# KiCad board Boston-keyboard-V06J.kicad_pcb (continued)
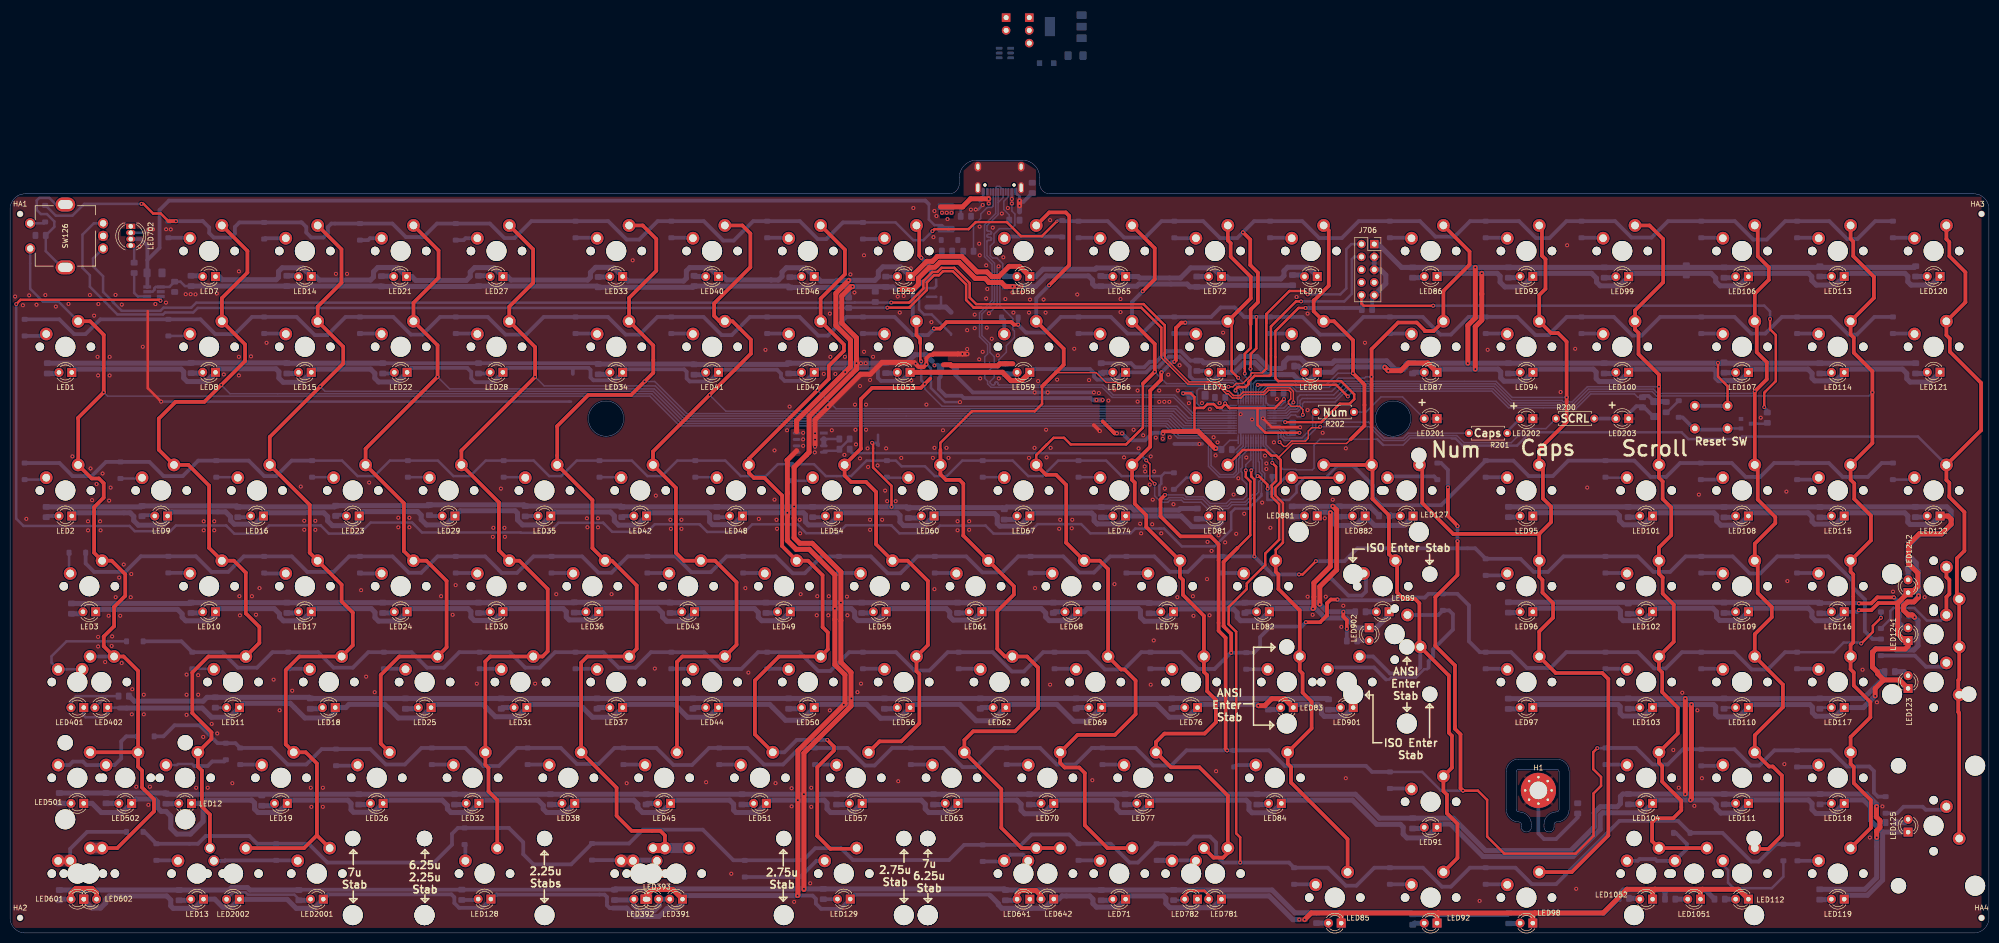
[diagram p0: board, top side]
## Nets (continued)
Row5: D4.1 D11.1 D18.1 D25.1 D31.1 D37.1 D44.1 D50.1 D56.1 D62.1 D69.1 D76.1 D83.1 D90.1 D97.1 D103.1 D110.1 D117.1 D124.1 U701.19 UA701.19
Row6: D5.1 D12.1 D19.1 D26.1 D32.1 D38.1 D45.1 D51.1 D57.1 D63.1 D70.1 D77.1 D84.1 D91.1 D104.1 D111.1 D118.1 D125.1 D127.1 U701.20 UA701.20
Row7: D6.1 D13.1 D20.1 D39.1 D64.1 D71.1 D78.1 D85.1 D92.1 D98.1 D105.1 D112.1 D119.1 D128.1 D129.1 U701.14 UA701.14
SCRL_INDICATOR: LED203.2 R200.1
SWCLK: J706.4 U701.37 UA701.37
SWDIO: J706.2 U701.34 UA701.34
Net-(D1-Pad2): D1.2 SW1.2
Net-(D2-Pad2): D2.2 SW2.2
Net-(D3-Pad2): D3.2 SW3.2
Net-(D4-Pad2): D4.2 SW4-1.2 SW4-2.2
Net-(D5-Pad2): D5.2 SW5-1.2 SW5-2.2
Net-(D6-Pad2): D6.2 SW6-1.2 SW6-2.2
Net-(D7-Pad2): D7.2 SW7.2
Net-(D8-Pad2): D8.2 SW8.2
Net-(D9-Pad2): D9.2 SW9.2
Net-(D10-Pad2): D10.2 SW10.2
Net-(D11-Pad2): D11.2 SW11.2
Net-(D12-Pad2): D12.2 SW12.2
Net-(D13-Pad2): D13.2 SW13.2
Net-(D14-Pad2): D14.2 SW14.2
Net-(D15-Pad2): D15.2 SW15.2
Net-(D16-Pad2): D16.2 SW16.2
Net-(D17-Pad2): D17.2 SW17.2
Net-(D18-Pad2): D18.2 SW18.2
Net-(D19-Pad2): D19.2 SW19.2
Net-(D20-Pad2): D20.2 SW20-1.2 SW20-2.2
Net-(D21-Pad2): D21.2 SW21.2
Net-(D22-Pad2): D22.2 SW22.2
Net-(D23-Pad2): D23.2 SW23.2
Net-(D24-Pad2): D24.2 SW24.2
Net-(D25-Pad2): D25.2 SW25.2
Net-(D26-Pad2): D26.2 SW26.2
Net-(D27-Pad2): D27.2 SW27.2
Net-(D28-Pad2): D28.2 SW28.2
Net-(D29-Pad2): D29.2 SW29.2
Net-(D30-Pad2): D30.2 SW30.2
Net-(D31-Pad2): D31.2 SW31.2
Net-(D32-Pad2): D32.2 SW32.2
Net-(D33-Pad2): D33.2 SW33.2
Net-(D34-Pad2): D34.2 SW34.2
Net-(D35-Pad2): D35.2 SW35.2
Net-(D36-Pad2): D36.2 SW36.2
Net-(D37-Pad2): D37.2 SW37.2
Net-(D38-Pad2): D38.2 SW38.2
Net-(D39-Pad2): D39.2 SW39-1.2 SW39-2.2 SW39-3.2
Net-(D40-Pad2): D40.2 SW40.2
Net-(D41-Pad2): D41.2 SW41.2
Net-(D42-Pad2): D42.2 SW42.2
Net-(D43-Pad2): D43.2 SW43.2
Net-(D44-Pad2): D44.2 SW44.2
Net-(D45-Pad2): D45.2 SW45.2
Net-(D46-Pad2): D46.2 SW46.2
Net-(D47-Pad2): D47.2 SW47.2
Net-(D48-Pad2): D48.2 SW48.2
Net-(D49-Pad2): D49.2 SW49.2
Net-(D50-Pad2): D50.2 SW50.2
Net-(D51-Pad2): D51.2 SW51.2
Net-(D52-Pad2): D52.2 SW52.2
Net-(D53-Pad2): D53.2 SW53.2
Net-(D54-Pad2): D54.2 SW54.2
Net-(D55-Pad2): D55.2 SW55.2
Net-(D56-Pad2): D56.2 SW56.2
Net-(D57-Pad2): D57.2 SW57.2
Net-(D58-Pad2): D58.2 SW58.2
Net-(D59-Pad2): D59.2 SW59.2
Net-(D60-Pad2): D60.2 SW60.2
Net-(D61-Pad2): D61.2 SW61.2
Net-(D62-Pad2): D62.2 SW62.2
Net-(D63-Pad2): D63.2 SW63.2
Net-(D64-Pad2): D64.2 SW64-1.2 SW64-2.2
Net-(D65-Pad2): D65.2 SW65.2
Net-(D66-Pad2): D66.2 SW66.2
Net-(D67-Pad2): D67.2 SW67.2
Net-(D68-Pad2): D68.2 SW68.2
Net-(D69-Pad2): D69.2 SW69.2
Net-(D70-Pad2): D70.2 SW70.2
Net-(D71-Pad2): D71.2 SW71.2
Net-(D72-Pad2): D72.2 SW72.2
Net-(D73-Pad2): D73.2 SW73.2
Net-(D74-Pad2): D74.2 SW74.2
Net-(D75-Pad2): D75.2 SW75.2
Net-(D76-Pad2): D76.2 SW76.2
Net-(D77-Pad2): D77.2 SW77.2
Net-(D78-Pad2): D78.2 SW78-1.2 SW78-2.2
Net-(D79-Pad2): D79.2 SW79.2
Net-(D80-Pad2): D80.2 SW80.2
Net-(D81-Pad2): D81.2 SW81.2
Net-(D82-Pad2): D82.2 SW82.2
Net-(D83-Pad2): D83.2 SW83.2
Net-(D84-Pad2): D84.2 SW84.2
Net-(D85-Pad2): D85.2 SW85.2
Net-(D86-Pad2): D86.2 SW86.2
Net-(D87-Pad2): D87.2 SW87.2
Net-(D88-Pad2): D88.2 SW88-1.2 SW88-2.2
Net-(D89-Pad2): D89.2 SW89.2
Net-(D90-Pad2): D90.2 SW90-1.2 SW90-2.2
Net-(D91-Pad2): D91.2 SW91.2
Net-(D92-Pad2): D92.2 SW92.2
Net-(D93-Pad2): D93.2 SW93.2
Net-(D94-Pad2): D94.2 SW94.2
Net-(D95-Pad2): D95.2 SW95.2
Net-(D96-Pad2): D96.2 SW96.2
Net-(D97-Pad2): D97.2 SW97.2
Net-(D98-Pad2): D98.2 SW98.2
Net-(D99-Pad2): D99.2 SW99.2
Net-(D100-Pad2): D100.2 SW100.2
Net-(D101-Pad2): D101.2 SW101.2
Net-(D102-Pad2): D102.2 SW102.2
Net-(D103-Pad2): D103.2 SW103.2
Net-(D104-Pad2): D104.2 SW104.2
Net-(D105-Pad2): D105.2 SW105-1.2 SW105-2.2
Net-(D106-Pad2): D106.2 SW106.2
Net-(D107-Pad2): D107.2 SW107.2
Net-(D108-Pad2): D108.2 SW108.2
Net-(D109-Pad2): D109.2 SW109.2
Net-(D110-Pad2): D110.2 SW110.2
Net-(D111-Pad2): D111.2 SW111.2
Net-(D112-Pad2): D112.2 SW112.2
Net-(D113-Pad2): D113.2 SW113.2
Net-(D114-Pad2): D114.2 SW114.2
Net-(D115-Pad2): D115.2 SW115.2
Net-(D116-Pad2): D116.2 SW116.2
Net-(D117-Pad2): D117.2 SW117.2
Net-(D118-Pad2): D118.2 SW118.2
Net-(D119-Pad2): D119.2 SW119.2
Net-(D120-Pad2): D120.2 SW120.2
Net-(D121-Pad2): D121.2 SW121.2
Net-(D122-Pad2): D122.2 SW122.2
Net-(D123-Pad2): D123.2 SW123.2
Net-(D124-Pad2): D124.2 SW124-1.2 SW124-2.2
Net-(D125-Pad2): D125.2 SW125.2
Net-(D126-Pad2): D126.2 SW126.S2
Net-(D127-Pad2): D127.2 SW127.2
Net-(D128-Pad2): D128.2 SW128.2
Net-(D129-Pad2): D129.2 SW129.2
Net-(D703-Pad1): D703.1 R711.2
Net-(D703-Pad2): D703.2 Q701.1 SW200.2
Net-(H1-Pad1): H1.1 L2.2
Net-(J705-PadA5): J705.A5 R704.2
Net-(J705-PadB5): J705.B5 R705.2
Net-(J705-PadS): J705.S L702.1
Net-(L1-Pad1): L1.1 SW126.S
Net-(LED1-Pad2): LED1.2 R1.2
Net-(LED2-Pad2): LED2.2 R2.2
Net-(LED3-Pad2): LED3.2 R3.2
Net-(LED7-Pad2): LED7.2 R7.2
Net-(LED8-Pad2): LED8.2 R8.2
Net-(LED9-Pad2): LED9.2 R9.2
Net-(LED10-Pad2): LED10.2 R10.2
Net-(LED11-Pad2): LED11.2 R11.2
Net-(LED12-Pad2): LED12.2 R12.2
Net-(LED13-Pad2): LED13.2 R13.2
Net-(LED14-Pad2): LED14.2 R14.2
Net-(LED15-Pad2): LED15.2 R15.2
Net-(LED16-Pad2): LED16.2 R16.2
Net-(LED17-Pad2): LED17.2 R17.2
Net-(LED18-Pad2): LED18.2 R18.2
Net-(LED19-Pad2): LED19.2 R19.2
Net-(LED21-Pad2): LED21.2 R21.2
Net-(LED22-Pad2): LED22.2 R22.2
Net-(LED23-Pad2): LED23.2 R23.2
Net-(LED24-Pad2): LED24.2 R24.2
Net-(LED25-Pad2): LED25.2 R25.2
Net-(LED26-Pad2): LED26.2 R26.2
Net-(LED27-Pad2): LED27.2 R27.2
Net-(LED28-Pad2): LED28.2 R28.2
Net-(LED29-Pad2): LED29.2 R29.2
Net-(LED30-Pad2): LED30.2 R30.2
Net-(LED31-Pad2): LED31.2 R31.2
Net-(LED32-Pad2): LED32.2 R32.2
Net-(LED33-Pad2): LED33.2 R33.2
Net-(LED34-Pad2): LED34.2 R34.2
Net-(LED35-Pad2): LED35.2 R35.2
Net-(LED36-Pad2): LED36.2 R36.2
Net-(LED37-Pad2): LED37.2 R37.2
Net-(LED38-Pad2): LED38.2 R38.2
Net-(LED40-Pad2): LED40.2 R40.2
Net-(LED41-Pad2): LED41.2 R41.2
Net-(LED42-Pad2): LED42.2 R42.2
Net-(LED43-Pad2): LED43.2 R43.2
Net-(LED44-Pad2): LED44.2 R44.2
Net-(LED45-Pad2): LED45.2 R45.2
Net-(LED46-Pad2): LED46.2 R46.2
Net-(LED47-Pad2): LED47.2 R47.2
Net-(LED48-Pad2): LED48.2 R48.2
Net-(LED49-Pad2): LED49.2 R49.2
Net-(LED50-Pad2): LED50.2 R50.2
Net-(LED51-Pad2): LED51.2 R51.2
Net-(LED52-Pad2): LED52.2 R52.2
Net-(LED53-Pad2): LED53.2 R53.2
Net-(LED54-Pad2): LED54.2 R54.2
Net-(LED55-Pad2): LED55.2 R55.2
Net-(LED56-Pad2): LED56.2 R56.2
Net-(LED57-Pad2): LED57.2 R57.2
Net-(LED58-Pad2): LED58.2 R58.2
Net-(LED59-Pad2): LED59.2 R59.2
Net-(LED60-Pad2): LED60.2 R60.2
Net-(LED61-Pad2): LED61.2 R61.2
Net-(LED62-Pad2): LED62.2 R62.2
Net-(LED63-Pad2): LED63.2 R63.2
Net-(LED65-Pad2): LED65.2 R65.2
Net-(LED66-Pad2): LED66.2 R66.2
Net-(LED67-Pad2): LED67.2 R67.2
Net-(LED68-Pad2): LED68.2 R68.2
Net-(LED69-Pad2): LED69.2 R69.2
Net-(LED70-Pad2): LED70.2 R70.2
Net-(LED71-Pad2): LED71.2 R71.2
Net-(LED72-Pad2): LED72.2 R72.2
Net-(LED73-Pad2): LED73.2 R73.2
Net-(LED74-Pad2): LED74.2 R74.2
Net-(LED75-Pad2): LED75.2 R75.2
Net-(LED76-Pad2): LED76.2 R76.2
Net-(LED77-Pad2): LED77.2 R77.2
Net-(LED79-Pad2): LED79.2 R79.2
Net-(LED80-Pad2): LED80.2 R80.2
Net-(LED81-Pad2): LED81.2 R81.2
Net-(LED82-Pad2): LED82.2 R82.2
Net-(LED83-Pad2): LED83.2 R83.2
Net-(LED84-Pad2): LED84.2 R84.2
Net-(LED85-Pad2): LED85.2 R85.2
Net-(LED86-Pad2): LED86.2 R86.2
Net-(LED87-Pad2): LED87.2 R87.2
Net-(LED89-Pad2): LED89.2 R89.2
Net-(LED91-Pad2): LED91.2 R91.2
Net-(LED92-Pad2): LED92.2 R92.2
Net-(LED93-Pad2): LED93.2 R93.2
Net-(LED94-Pad2): LED94.2 R94.2
Net-(LED95-Pad2): LED95.2 R95.2
Net-(LED96-Pad2): LED96.2 R96.2
Net-(LED97-Pad2): LED97.2 R97.2
Net-(LED98-Pad2): LED98.2 R98.2
Net-(LED99-Pad2): LED99.2 R99.2
Net-(LED100-Pad2): LED100.2 R100.2
Net-(LED101-Pad2): LED101.2 R101.2
Net-(LED102-Pad2): LED102.2 R102.2
Net-(LED103-Pad2): LED103.2 R103.2
Net-(LED104-Pad2): LED104.2 R104.2
Net-(LED106-Pad2): LED106.2 R106.2
Net-(LED107-Pad2): LED107.2 R107.2
Net-(LED108-Pad2): LED108.2 R108.2
Net-(LED109-Pad2): LED109.2 R109.2
Net-(LED110-Pad2): LED110.2 R110.2
Net-(LED111-Pad2): LED111.2 R111.2
Net-(LED112-Pad2): LED112.2 R112.2
Net-(LED113-Pad2): LED113.2 R113.2
Net-(LED114-Pad2): LED114.2 R114.2
Net-(LED115-Pad2): LED115.2 R115.2
Net-(LED116-Pad2): LED116.2 R116.2
Net-(LED117-Pad2): LED117.2 R117.2
Net-(LED118-Pad2): LED118.2 R118.2
Net-(LED119-Pad2): LED119.2 R119.2
Net-(LED120-Pad2): LED120.2 R120.2
Net-(LED121-Pad2): LED121.2 R121.2
Net-(LED122-Pad2): LED122.2 R122.2
Net-(LED123-Pad2): LED123.2 R123.2
Net-(LED125-Pad2): LED125.2 R125.2
Net-(LED127-Pad2): LED127.2 R127.2
Net-(LED128-Pad2): LED128.2 R128.2
Net-(LED129-Pad2): LED129.2 R129.2
Net-(LED391-Pad2): LED391.2 LED392.2 LED393.2 R39.2
Net-(LED401-Pad2): LED401.2 LED402.2 R4.2
Net-(LED501-Pad2): LED501.2 R501.2
Net-(LED502-Pad2): LED502.2 R502.2
Net-(LED601-Pad2): LED601.2 LED602.2 R6.2
Net-(LED641-Pad2): LED641.2 LED642.2 R64.2
Net-(LED781-Pad2): LED781.2 LED782.2 R78.2
Net-(LED881-Pad2): LED881.2 R881.2
Net-(LED882-Pad2): LED882.2 R882.2
Net-(LED901-Pad2): LED901.2 R901.2
Net-(LED902-Pad2): LED902.2 R902.2
Net-(LED1051-Pad2): LED1051.2 R1051.2
Net-(LED1052-Pad2): LED1052.2 R1052.2
Net-(LED1241-Pad2): LED1241.2 R1241.2
Net-(LED1242-Pad2): LED1242.2 R1242.2
Net-(LED2001-Pad2): LED2001.2 LED2002.2 R20.2
Net-(Q701-Pad3): Q701.3 R703.2
Net-(Q702-Pad4): Q702.4 R706.2 R707.2
Net-(R200-Pad2): R200.2 U701.12 UA701.12
Net-(R201-Pad2): R201.2 U701.11 UA701.11
Net-(R202-Pad2): R202.2 U701.10 UA701.10
Net-(R710-Pad2): R710.2 U705.4

Pads without a net: J705 A8 B8; J706 6 7 8; LED702 1; U1 4 6

## Via types
v1: diameter 0.8, hole 0.4, Top to Bottom, 546 vias
v2: diameter 0.6, hole 0.3, Top to Bottom, 1 via

## Routing (per net, layer and track width the routed paths; a pad name or vN(x,y) marks a point on that pad's centre or on a via; arc(x,y) is an arc through that point)
+3V3: length 2845.1
  Top w0.5: SW200.1 341.5,108.75 339.6,110.65 v1(339.6,113.38) ; v1(171.4,97.47) 171.6,97.28 171.6,92.58 175.26,88.91 v1(175.26,84.74) ; v1(253.3,106.17) 251.5,104.38 248.05,104.38 ; v1(233.25,107.33) 234.75,107.33 235.5,106.58 235.5,104.41 ; 235.38,99.75 235.5,99.88 235.5,104.41 ; 235.5,104.41 237.32,104.41 238.06,105.14 239.36,105.14 240.02,104.48 240.91,104.48 241.6,105.17 v1(241.6,105.33) 241.6,105.28 242.5,104.38 248.05,104.38 ; 248.05,104.38 248.05,101.03 249.6,99.48 v1(256.4,99.48)
  Top w0.75: 229.25,99.75 231.25,99.75 ; v1(265.1,63.88) 265.1,62.9 265.8,62.2 v1(265.8,60.5) ; v1(367.62,65.55) 370.08,65.55 371.27,66.74 v1(374.59,66.74) ; 333.1,27.65 v1(333.07,27.62)
  Top w1: 183.89,132.39 182.79,132.39 180.61,130.21 180.61,128.97 179.61,127.97 v1(176.78,127.97) ; v1(291.34,132.36) 291.34,122.31 289.86,120.84 v1(289.86,113.31) ; v1(378.7,62.78) 378.24,63.24 377.43,63.24 376.5,64.17 376.5,65.05 377.28,65.83 378.57,65.83 379.48,66.74 v1(379.48,67.06) ; v1(167.53,128.53) 167.2,128.53 165.38,126.71 165.38,121.29 168.3,118.37 168.3,112.13 158.89,102.72 158.89,95.59 155.9,92.6 v1(155.9,84.8) 155.9,78.6 157,77.5 159.5,77.5 165.2,71.8 v1(165.2,65.7) 165.2,53.82 167.21,51.81 167.21,45.14 157.85,35.78 v1(157.85,27.59) 157.85,8.63 ; 184.2,132.68 184.9,133.38 188.7,133.38 191.9,130.18 193.87,130.18 194.61,129.44 194.61,129.36 197.11,129.36 197.93,128.55 199.5,128.55 ; 185.6,113 187,113 187.2,112.8 196.4,112.8 196.81,113.2 197.9,113.2 199.4,113.2 ; v1(333.1,46.6) 333.1,27.65 ; v1(371.15,19) 371.15,20.32 371.8,20.97 371.8,22.38 371.1,23.07 371.1,25.07 v1(371.15,25.12) ; 231.25,99.75 236.18,99.75 236.2,99.78 239.6,96.38 v1(239.75,96.38) ; v1(263,84.88) 263.78,84.09 263.78,72.22 260.43,68.86 v1(260.43,65.38)
  Bottom w0.3: 253.43,105.64 252.68,104.88 U701.1 250.21,104.88 ; 249.71,105.39 U701.48 UA701.48 UA701.1 ; 240.88,96.12 240.88,96.35 ; C708.1 254.54,98.94 254,98.94 253.69,99.26 253.69,99.65 252.46,100.88 U701.9 ; 240.91,96.38 242.5,97.97 U701.24 ; U701.36 241.95,104.88 241.57,105.27 241.57,105.84
  Bottom w0.5: 253.43,105.64 253.43,106.05 v1(253.3,106.17) 253.3,107.03 253.23,107.1 ; v1(256.4,99.48) 256.36,99.44 C708.1 ; 172.71,97.08 172.3,97.08 ; v1(171.4,97.47) 172.51,97.47 172.71,97.28 ; 187.1,118.95 187.1,119.15 183.25,123 181.75,123 180.75,124 180.75,127.25 181.75,128.25 183.75,128.25 184.15,128.65 184.15,129.91 ; 372.93,21.95 372.02,21.95 371.15,22.82 v1(371.15,25.12) ; 36,128.65 34.78,128.65 33.9,129.53 C712.1 31.68,128.48 U705.1 28.95,128.48 28.7,128.22 28.7,127.9 28.33,127.53 U705.5 ; 172.57,99.08 172.57,97.01 172.71,96.88
  Bottom w0.75: 265.8,58.08 v1(265.8,60.5) ; 116.97,113.15 116.8,113.31 93.15,113.31 74.1,113.31 ; v1(379.48,67.06) 378.09,65.67 375.66,65.67 v1(374.59,66.74) ; 120.2,8.6 57.5,8.6 57.43,8.54 ; 236,113.83 234.68,113.83 232.8,115.7 230,115.7 227.9,113.6 226.6,113.6 225.5,112.5 223.7,112.5 222.89,113.31 216.98,113.31 ; v1(229.25,99.28) 229.05,99.47 227.2,99.47 225.7,97.97 222.5,97.97 v1(221.1,99.38) ; SW200.1 SW200.1 ; v1(367.62,65.55) 367.55,65.62 359.85,65.62
  Bottom w1: v1(239.75,96.38) 240.63,96.38 240.88,96.12 ; 359.85,8.68 368.82,8.68 371.15,11 v1(371.15,19) ; 9.81,27.83 19.1,27.83 30.92,27.83 31,27.75 31.16,27.59 69.34,27.59 88.39,27.59 v1(157.85,27.59) 247.93,27.59 267.51,27.59 272.27,22.82 286.95,22.82 293.4,16.38 310.3,16.38 315,21.07 315,23.9 316.2,25.1 319.6,25.1 320.2,25.7 320.2,27.15 320.68,27.62 321.8,27.62 v1(333.07,27.62) 359.9,27.62 369.12,27.62 371.15,25.6 v1(371.15,25.12) ; 236.05,84.41 232.7,84.41 232.4,84.1 223.51,84.1 222.92,84.69 217.01,84.69 198.12,84.69 197.69,84.26 ; v1(200.18,128.55) v1(201.07,128.55) ; 236,113.83 236.93,113.83 237.35,113.4 243.45,113.4 244.7,114.65 247.92,114.65 250.32,112.25 252.8,112.25 253.27,112.72 253.27,113.47 254.12,114.33 256.55,114.33 257.6,113.28 262.88,113.28 263.38,113.78 273.74,113.78 275.49,112.03 277.02,112.03 277.52,112.53 277.52,113.05 277.79,113.31 278.89,113.31 ; 178.64,84.33 178.24,84.74 v1(175.26,84.74) 159.59,84.74 140.54,84.74 121.65,84.74 121.49,84.9 102.44,84.9 102.19,85.14 83.39,85.14 83.22,84.97 64.75,84.97 64.51,84.74 45.29,84.74 45.1,84.92 26.24,84.92 26.05,84.74 7.19,84.74 ; 278.89,113.31 v1(289.86,113.31) 316.99,113.31 378.9,113.31 ; 278.89,113.31 278.78,113.42 ; 135.78,46.64 135.85,46.64 ; 135.85,46.64 116.73,46.64 97.68,46.64 59.72,46.64 59.49,46.86 39.16,46.86 38.4,46.1 24.7,46.1 23.7,47.1 23.62,47.1 ; 135.85,46.64 154.83,46.64 v1(167.28,46.64) 192.93,46.64 231.03,46.64 261.96,46.64 262.14,46.46 ; 197.93,8.54 197.71,8.76 120.36,8.76 120.2,8.6 120.14,8.54 ; 197.93,8.54 216.98,8.54 250.93,8.54 255.46,4.01 259.79,4.01 278.56,4.01 278.9,3.68 297.77,3.68 298.02,3.93 316.9,3.93 319.86,6.88 319.86,7.58 320.83,8.55 328.7,8.55 ; 197.93,8.54 197.86,8.61 ; 216.87,113.2 216.98,113.31 ; R708.2 166.72,128.23 167.03,128.53 ; J706.1 272.05,137 276.69,132.36 278.89,132.36 v1(291.34,132.36) 340.8,132.36 378.67,132.36 378.9,132.6 ; 9.81,8.54 33.62,8.54 43.58,8.54 44.06,9.02 47.2,9.02 47.69,8.54 57.43,8.54 ; 197.69,84.26 197.37,84.58 178.61,84.58 ; 197.69,84.26 197.98,84.55 ; 255.15,84.85 264.32,84.85 270.32,84.85 272.2,82.97 ; 359.85,65.62 359.71,65.76 297.94,65.76 ; 36,128.65 55.05,128.65 73.79,128.65 73.87,128.57 93.08,128.57 93.15,128.65 116.73,128.65 116.97,128.41 135.78,128.41 136.02,128.65 154.78,128.65 155.06,128.37 165.24,128.37 165.4,128.53 167.03,128.53 ; v1(177.72,127.97) v1(176.78,127.97) 176.07,127.97 175.56,128.49 174.11,128.49 174.06,128.53 v1(167.53,128.53) 167.03,128.53 ; 74.1,113.31 55.05,113.31 54.98,113.39 36,113.39 35.93,113.31 7.43,113.31 ; 116.97,113.15 135.94,113.15 136.02,113.08 154.59,113.08 154.83,113.31 v1(168.31,113.31) v1(169.19,113.31) v1(170.14,113.31) 174.04,113.31 174.12,113.39 178.31,113.39 179.93,115.01 182.07,115.01 183.35,113.72 ; 329.06,6.72 329.06,8.19 328.7,8.55 ; 328.7,8.55 337.07,8.55 338.9,6.72 ; 377.6,63.18 378.31,63.18 379.37,62.12 379.37,57.1 378.54,56.27 375.08,56.27 374.83,56.52 370.98,56.52 370.39,55.93 370.39,52.88 371.31,51.96 372.72,51.96 372.72,50.85 368.51,46.64 359.85,46.64 359.81,46.6 v1(333.1,46.6) 297.93,46.6 ; v1(379.48,67.06) 379.48,71.81 379.01,72.28 379.01,73.61 378.15,74.47 377.45,74.47 377.45,76.96 379.82,79.33 384.11,79.33 385.96,81.18 385.96,83.91 385.12,84.75 378.85,84.75 378.84,84.74 321.75,84.74 321.74,84.75 297.95,84.75 ; v1(199.3,128.55) 203.9,128.55 206.02,130.68 214.43,130.68 215.25,129.85 215.25,129.07 215.7,128.62 216.9,128.62 224.05,128.62 224.48,129.05 234.05,129.05 234.6,128.5 235.98,128.5 238.05,128.5 238.35,128.8 255,128.8 ; v1(233.25,107.33) 234.23,107.33 ; 12.22,65.53 35.84,65.53 36,65.69 55.05,65.69 74.1,65.69 93.15,65.69 112.13,65.69 112.2,65.76 131.18,65.76 131.25,65.69 150.3,65.69 169.35,65.69 188.4,65.69 207.45,65.69 226.43,65.69 226.5,65.62 245.48,65.62 245.55,65.69 260.11,65.69 v1(260.43,65.38) 261.93,63.87 267.47,63.87 ; 197.93,128.55 199.5,128.55
  vias: v1(157.86,8.76) v1(229.2,98.28)
+5V: length 229.1
  Top w0.75: v1(220.07,99.38) 219.62,99.38 ; 219.62,99.38 217.25,101.75 ; 219.62,99.38 219.25,99.75
  Bottom w0.5: F701.1 185.3,140.78 183.8,140.78 182.69,141.88 182.69,144.94 ; U705.6 27.63,128.48
  Bottom w0.75: v1(217.25,106) v1(216.02,106) 215.24,106 214.85,106.39 189.61,106.39 189.16,106.84 186.04,106.84 184.7,108.17 184.7,110.28 185.01,110.59 C704.1 ; 184.41,113.01 185.01,112.4 185.01,110.99 ; 182.69,144.94 181.99,145.65 31.59,145.65 29.72,143.78 29.72,136.25 27.3,133.82 ; U705.6 27.3,128.51 27.3,133.82 ; 27.3,133.82 27.3,136.72 26.03,137.99 LED702.3 23.97,138.03
  vias: v1(183.8,112.88)
GND: length 288.6
  Top w0.5: v1(249.12,102.36) 250.9,100.58 v1(256.5,100.58) ; v1(30.05,105.67) 27.39,108.33 27.39,123.68
  Top w0.75: 179.12,113.48 179.8,113.48 ; 179.8,113.48 179.9,113.48 ; 179.8,113.48 v1(180.05,113.22) 180.41,112.87 180.41,112.81 180.67,112.56 181.65,112.56 v1(182.2,113.1) 182.2,114.3 182.88,114.97 183.47,114.97 183.64,115.15 ; 215.5,101 v1(216.68,99.82)
  Top w1: 179.12,113.48 173.4,113.48 171.02,111.1 169.12,111.1 v1(162.6,104.58) 160.07,102.05 160.07,97.05 ; v1(200.72,144.62) v1(200.72,145.62) ; v1(190.31,115.15) v1(189.36,115.15) 183.64,115.15
  Bottom w0.3: C707.2 243.68,96.12 244.71,97.16 U701.23 244.71,99.88 v1(246.96,102.13) ; v1(246.96,102.13) 247.71,101.38 U701.8 ; v1(246.96,102.13) 249.21,104.38 U701.47 249.21,107.33 249.56,107.69 ; v1(246.96,102.13) 244.71,104.38 U701.35 ; v1(196.56,132.57) 196.26,132.28 196.26,124.87 v1(194.62,123.22) ; 194.75,113.5 194.75,112.95 194.44,112.64 188.23,112.64 187.99,112.4
  Bottom w0.5: 199.99,147.97 199.99,147.21 200.72,146.47 v1(200.72,145.62) 200.72,145.4 200.72,145.68 ; 111.54,105.67 v1(30.05,105.67) ; v1(182.2,113.1) 182.27,113.1 183.1,112.28 183.1,108.38 185.9,105.58 v1(188.88,105.58) ; v1(244.7,103.17) 245.92,103.17 v1(246.96,102.13) ; 192.8,145.5 193.49,146.19 193.49,147.97 ; LED702.2 26.83,139.26 v1(27.5,139.93) ; R707.1 161.87,98.24 161.8,98.31 ; v1(193.4,144.78) 192.5,143.88 v1(192,143.88)
  Bottom w0.75: 327,102.8 326.65,102.8 324.7,104.75 323.35,104.75 321.83,103.23 LED203.1 ; 303.1,101.97 LED202.1 ; C702.2 270.82,126.41 J706.9 ; L702.2 201.5,145.4 200.72,145.4 ; v1(215.5,107.5) v1(206.32,107.5) v1(203.73,107.5) 191.41,107.5 187.99,110.93 187.99,112.4 ; 231.5,97.25 v1(236.48,97.25) 237,97.25
  Bottom w1: 200.72,145.4 v1(200.72,144.62) 200.72,143.4 ; 161.8,97.17 161.8,98.31 ; J706.9 273.55,129.14 273.55,130.85 272.48,131.92 J706.5 J706.3
  vias: v1(1,126.58) v1(2.55,124.84) v1(3.23,82.36) v1(3.8,126.81) v1(5.26,124.94) v1(7.01,126.85) v1(9.1,124.58) v1(11.62,125.09) v1(12.4,94.78) v1(15.5,81.88) v1(15.5,80.08) v1(15.88,126.88) v1(16,92.38) v1(16.3,86.08) v1(16.72,122.77) v1(17.2,89.28) v1(17.4,114.58) v1(17.5,110.88) v1(17.5,58.88) v1(17.5,56.97) v1(17.56,125.09) v1(17.9,81.88) v1(18,80.08) v1(18.4,91.38) v1(18.9,53.88) v1(19.6,63.08) v1(19.7,85.97) v1(19.8,114.58) v1(19.8,110.88) v1(20,88.58) v1(20.2,57.08) v1(20.3,58.97) v1(20.97,126.88) v1(21,66.78) v1(21.7,70.67) v1(21.9,63.08) v1(22.22,124.97) v1(22.2,53.67) v1(22.6,73.28) v1(24,66.78) v1(24.1,71.38) v1(24.2,43.47) v1(24.3,48.47) v1(25.1,29.07) v1(25.78,136.47) v1(26.4,116.58) v1(26.6,47.38) v1(26.6,43.47) v1(27.5,25.47) v1(27.8,29.07) v1(28.42,139.93) v1(28.9,125.08) v1(31.03,139.95) v1(31,125.37) v1(31.95,139.93) v1(34.93,127.03) v1(35.1,51.38) v1(35.1,47.38) v1(35.1,43.38) v1(35.91,127.03) v1(36.88,127) v1(37,28.88) v1(37.4,51.28) v1(37.4,47.38) v1(38.4,38.97) v1(38.5,81.88) v1(38.5,80.08) v1(39.3,28.88) v1(40.1,41.57) v1(40.6,81.88) v1(40.6,80.08) v1(41.1,127.17) v1(41.2,39.68) v1(42.5,111.08) v1(44.2,29.78) v1(45.5,131.57) v1(45.5,114.58) v1(45.5,110.88) v1(45.6,66.97) v1(45.7,63.17) v1(47.9,114.67) v1(48.1,66.97) v1(48.9,63.28) v1(49.6,68.58) v1(51,117.38) v1(52.4,50.38) v1(53.6,44.28) v1(56.1,48.17) v1(57.8,88.78) v1(58.5,81.97) v1(58.5,80.17) v1(59.8,28.88) v1(59.9,25.07) v1(60.7,81.97) v1(60.7,80.17) v1(62.2,28.88) v1(62.2,25.07) v1(64.8,131.07) v1(67,131.07) v1(69.8,68.17) v1(70.8,50.97) v1(71.4,89.58) v1(72.5,47.88) v1(77.2,82.58) v1(77.2,80.67) v1(79.4,82.58) v1(79.4,80.67) v1(85.7,66.97) v1(88,63.28) v1(88.6,69.17) v1(92.8,49.58) v1(96,78.78) v1(96.1,80.58) v1(97.6,88.38) v1(98.3,80.58) v1(98.4,78.78) v1(104.4,49.58) v1(108.6,67.38) v1(114.7,82.47) v1(114.8,80.67) v1(116.9,82.47) v1(116.9,80.67) v1(119.6,67.38) v1(122.6,29.78) v1(123.8,133.78) v1(128.2,52.58) v1(128.4,86.97) v1(131.3,82.17) v1(131.4,80.38) v1(133.5,82.17) v1(133.5,80.38) v1(138.4,29.97) v1(143.4,11.78) v1(146.2,68.58) v1(146.8,51.78) v1(148.88,82.34) v1(150.2,115.97) v1(152,95.97) v1(152,86.17) v1(152.2,29.78) v1(152.4,82.17) v1(152.5,80.38) v1(154.5,99.97) v1(155,104.67) v1(155.4,28.78) v1(155.4,25.18) v1(155.9,6.18) v1(157,82.17) v1(157.1,79.47) v1(157.2,67.38) v1(159.1,9.88) v1(159.3,28.88) v1(159.3,25.07) v1(160,95.58) v1(160.06,99.37) v1(160.07,98.12) v1(160.05,96.69) v1(160.4,63.17) v1(160.5,66.97) v1(161.8,111.17) v1(162.7,63.17) v1(162.8,66.97) v1(163,123.17) v1(163,44.28) v1(163.1,114.58) v1(163.4,99.97) v1(164.1,111.17) v1(165.9,95.08) v1(166,114.58) v1(166.4,66.88) v1(166.5,63.17) v1(167.1,130.97) v1(167.9,127.38) v1(168,105.08) v1(168.1,100.08) v1(168.2,97.17) v1(168.5,47.88) v1(169,108.78) v1(169,94.38) v1(169.2,49.58) v1(169.8,134.78) v1(169.8,115.58) v1(170.2,105.08) v1(170.2,100.08) v1(170.5,96.38) v1(170.6,92.67) v1(171,109.97) v1(171,82.17) v1(171,80.17) v1(171.6,114.58) v1(172.5,92.97) v1(173.4,82.17) v1(174,87.97) v1(174.2,96.38) v1(174.4,85.88) v1(176.1,85.88) v1(176.5,126.58) v1(176.6,30.18) v1(176.9,123.38) v1(177.2,94.47) v1(177.7,126.67) v1(179.1,132.18) v1(179.2,109.88) v1(179.6,144.18) v1(182.2,105.08) v1(183.2,121.47) v1(183.5,94.47) v1(183.6,138.38) v1(183.8,143.57) v1(183.8,96.47) v1(183.8,68.38) v1(184.2,142.57) v1(185.5,99.97) v1(186.2,96.47) v1(186.4,141.97) v1(186.6,94.47) v1(188.4,81.88) v1(188.4,80.08) v1(190.3,119.88) v1(190.3,116.12) v1(190.7,81.88) v1(190.7,80.17) v1(191.05,143.85) v1(191.8,122.97) v1(191.8,120.28) v1(192.7,137.07) v1(192.7,114.08) v1(192.78,140.47) v1(192.8,134.78) v1(192.9,110.28) v1(193.4,115.58) v1(194.1,132.78) v1(194.1,126.17) v1(194.2,120.38) v1(194.3,128.07) v1(194.64,143.19) v1(195.2,118.17) v1(195.4,140.28) v1(196.4,114.88) v1(196.6,110.28) v1(197.2,143.07) v1(197.5,134.38) v1(197.9,126.08) v1(198.4,144.18) v1(199.3,127.38) v1(199.5,123.38) v1(201.2,127.38) v1(202.6,123.38) v1(202.6,94.47) v1(202.8,125.97) v1(203.7,96.47) v1(203.8,68.58) v1(204.41,109.77) v1(205.5,125.97) v1(205.9,123.38) v1(206,100.08) v1(206.1,94.58) v1(206.8,141.78) v1(206.8,49.38) v1(206.9,96.47) v1(208.2,110.03) v1(208.6,80.38) v1(208.8,82.17) v1(211.1,80.47) v1(211.2,82.17) v1(211.6,116.17) v1(212.2,126.97) v1(214.54,109.95) v1(215.2,30.38) v1(216.5,107.38) v1(218.4,105.88) v1(219.6,108.08) v1(219.6,69.38) v1(220.8,126.08) v1(220.8,123.47) v1(221.5,94.58) v1(223.4,100.08) v1(224.2,107.88) v1(224.2,105.67) v1(224.4,96.38) v1(224.7,81.38) v1(224.9,79.47) v1(225.3,98.97) v1(225.6,92.78) v1(225.7,91.78) v1(226.6,89.17) v1(226.8,94.78) v1(226.8,49.38) v1(227.1,81.28) v1(227.2,86.17) v1(227.4,58.17) v1(227.5,91.78) v1(227.8,98.5) v1(228.5,107.88) v1(228.5,105.62) v1(228.9,79.47) v1(229.5,105.62) v1(229.6,88.38) v1(230.3,111.03) v1(230.5,105.62) v1(230.6,98.58) v1(231.33,85.25) v1(232.1,66.78) v1(232.2,107.88) v1(232.55,112.91) v1(234.4,105.38) v1(235.2,66.97) v1(235.3,63.08) v1(237,105.38) v1(238,70.38) v1(238.1,77.78) v1(238.5,63.17) v1(238.57,104.17) v1(238.9,75.97) v1(239.3,98.58) v1(239.7,94.97) v1(239.8,32.18) v1(240.1,97.58) v1(240.3,79.08) v1(240.5,105.38) v1(241.2,119.38) v1(241.6,77.67) v1(243.29,87.19) v1(243.8,79.38) v1(244.23,90.42) v1(245.39,83.38) v1(245.82,94.56) v1(248.97,85.58) v1(249.53,94.92) v1(249.8,93.38) v1(249.8,92.28) v1(250.6,80.58) v1(251.3,97.58) v1(251.9,106.17) v1(255.8,126.47) v1(258,123.17) v1(258,103.97) v1(258,66.88) v1(258.7,127.97) v1(259,63.28) v1(261,99.47) v1(261.4,82.47) v1(261.6,66.88) v1(263,86.17) v1(264.7,60.88) v1(265.1,65.08) v1(265.6,96.38) v1(265.6,30.78) v1(269.4,117.38) v1(292.2,6.38) v1(293.8,115.97) v1(308.3,107.58) v1(309.6,136.78) v1(311.2,116.17) v1(311.4,8.78) v1(313.6,88.58) v1(330.71,36.38) v1(331.8,28.88) v1(332.5,47.78) v1(334.9,25.28) v1(335.5,44.28) v1(335.8,87.17) v1(336.4,30.78) v1(348.1,102.47) v1(352.8,33.57) v1(353.2,87.78) v1(353.4,69.97) v1(368.35,52.36) v1(369.8,18.97) v1(371.2,45.88) v1(372.3,25.18) v1(374.4,67.88) v1(380.7,66.78)
VBUS: length 58.9
  Top w1: v1(194.6,145.97) 194.57,146 191,146 189.4,144.4 185,144.4
  Bottom w0.3: 199.2,147.1 199.2,146.7 ; 196.81,124.79 196.98,124.62 ; 196.81,124.79 196.81,131.44 196.91,131.44 197.39,131.93 197.39,133.09 196.84,133.65 196.81,133.65 196.21,134.24 195.38,134.24 194.9,134.72 194.9,136.6 195.64,137.34 195.64,138.99 196.72,140.07 199.1,140.07 199.8,140.78 199.8,142.97 199.2,143.57 v1(199.2,145.07) ; 196.81,124.79 199.4,122.2 199.4,120 199.7,119.7 199.7,118.4 198.1,116.8 198.1,115.5 196.6,114 196.6,112.6 196.4,112.4 195.2,112.4 194.75,111.95 194.75,111.3
  Bottom w0.5: v1(199.2,145.97) 199.2,147.1 ; C714.1 189.03,143.82 188.45,144.4 187.2,144.4
  Bottom w1: 186.25,144.28 186.1,144.43
  vias: v1(185.3,143.22) v1(186.25,143.22) v1(187.2,143.22) v1(194.6,145.07)
BOOT0: length 89
  Top w0.5: v1(248.1,109) 263.7,109 v1(266,106.7)
  Bottom w0.3: v1(266,106.7) 267.06,107.76 294.64,107.76 297.96,104.44 307.76,104.44 308.08,104.12 311.32,104.12 311.32,104.22 314.3,107.19 323,107.19 323.64,106.55 R702.2 ; U701.44 247.71,108.61 v1(248.1,109)
  Bottom w0.75: 327,105.6 325.8,106.8 324.7,106.8
  Bottom w1: C715.1 329.21,105.69 R711.1
CAP_INDICATOR: length 3.9
  Bottom w0.5: LED202.2 297.7,99.75 R201.1
Col1: length 414.1
  Top w0.5: 26.24,35.14 SW5-2.1
  Top w0.75: SW5-1.1 SW5-2.1 ; SW5-2.1 25.45,52.12 22.59,54.98 SW4-2.1 18.62,57.04 18.62,58.95 20.68,61.01 20.68,64.82 22.91,67.05 22.91,71.33 20.21,74.03 SW3.1 16.72,75.62 16.72,84.67 18.62,86.57 18.62,89.43 17.67,90.38 16.24,90.38 SW2.1 13.54,102.45 v1(18.62,107.53) 18.62,118.96 15.92,121.66 SW1.1 ; SW5-2.1 25.45,33.07 26.24,32.28 26.24,28.94 28.62,26.56 28.62,24.18 21.32,16.88 SW6-1.1
  Bottom w0.3: U701.21 245.71,96.65 244.52,95.46 244.52,94.56 244.29,94.33 244.29,91.56 243.4,90.66 240.41,90.66 238.3,92.78 238.3,97.6 237.48,98.42 232.18,98.42 229.76,100.84 133.16,100.84 127.24,106.76 19.39,106.76 v1(18.62,107.53)
  Bottom w0.5: SW126.S1 4,128.1 6.55,125.55 9.64,125.55 SW1.1
  Bottom w0.75: SW4-1.1 SW4-2.1
  Bottom w2: SW6-1.1 SW6-2.1
Col2: length 384.4
  Top w0.75: SW7.1 47.19,135.62 47.19,131.34 42.11,126.26 SW8.1 46.72,117.05 46.72,113.72 v1(41.98,108.98) 38.62,105.62 32.91,105.62 29.57,102.29 29.57,96.1 SW9.1 35.45,93.08 39.58,88.95 39.58,76.57 SW10.1 44.5,74.03 46.88,71.65 46.88,63.55 49.58,60.85 49.58,57.68 SW11.1 39.42,54.98 36.24,51.81 36.24,43.71 40.05,39.9 40.05,38.63 SW12.1 37.35,33.07 38.15,32.28 38.15,25.13 39.73,23.55 SW13.1
  Bottom w0.3: 245.21,96.83 244.01,95.63 244.01,94.78 243.81,94.57 243.81,91.75 243.2,91.14 240.61,91.14 238.8,92.95 238.8,97.8 237.7,98.9 232.42,98.9 230,101.32 133.48,101.32 127.56,107.24 43.72,107.24 v1(41.98,108.98) ; 245.21,96.83 245.2,96.82 ; 245.21,96.83 U701.22